# Altium PCB Copy of master.PcbDoc (part 3 of 7) (continued)
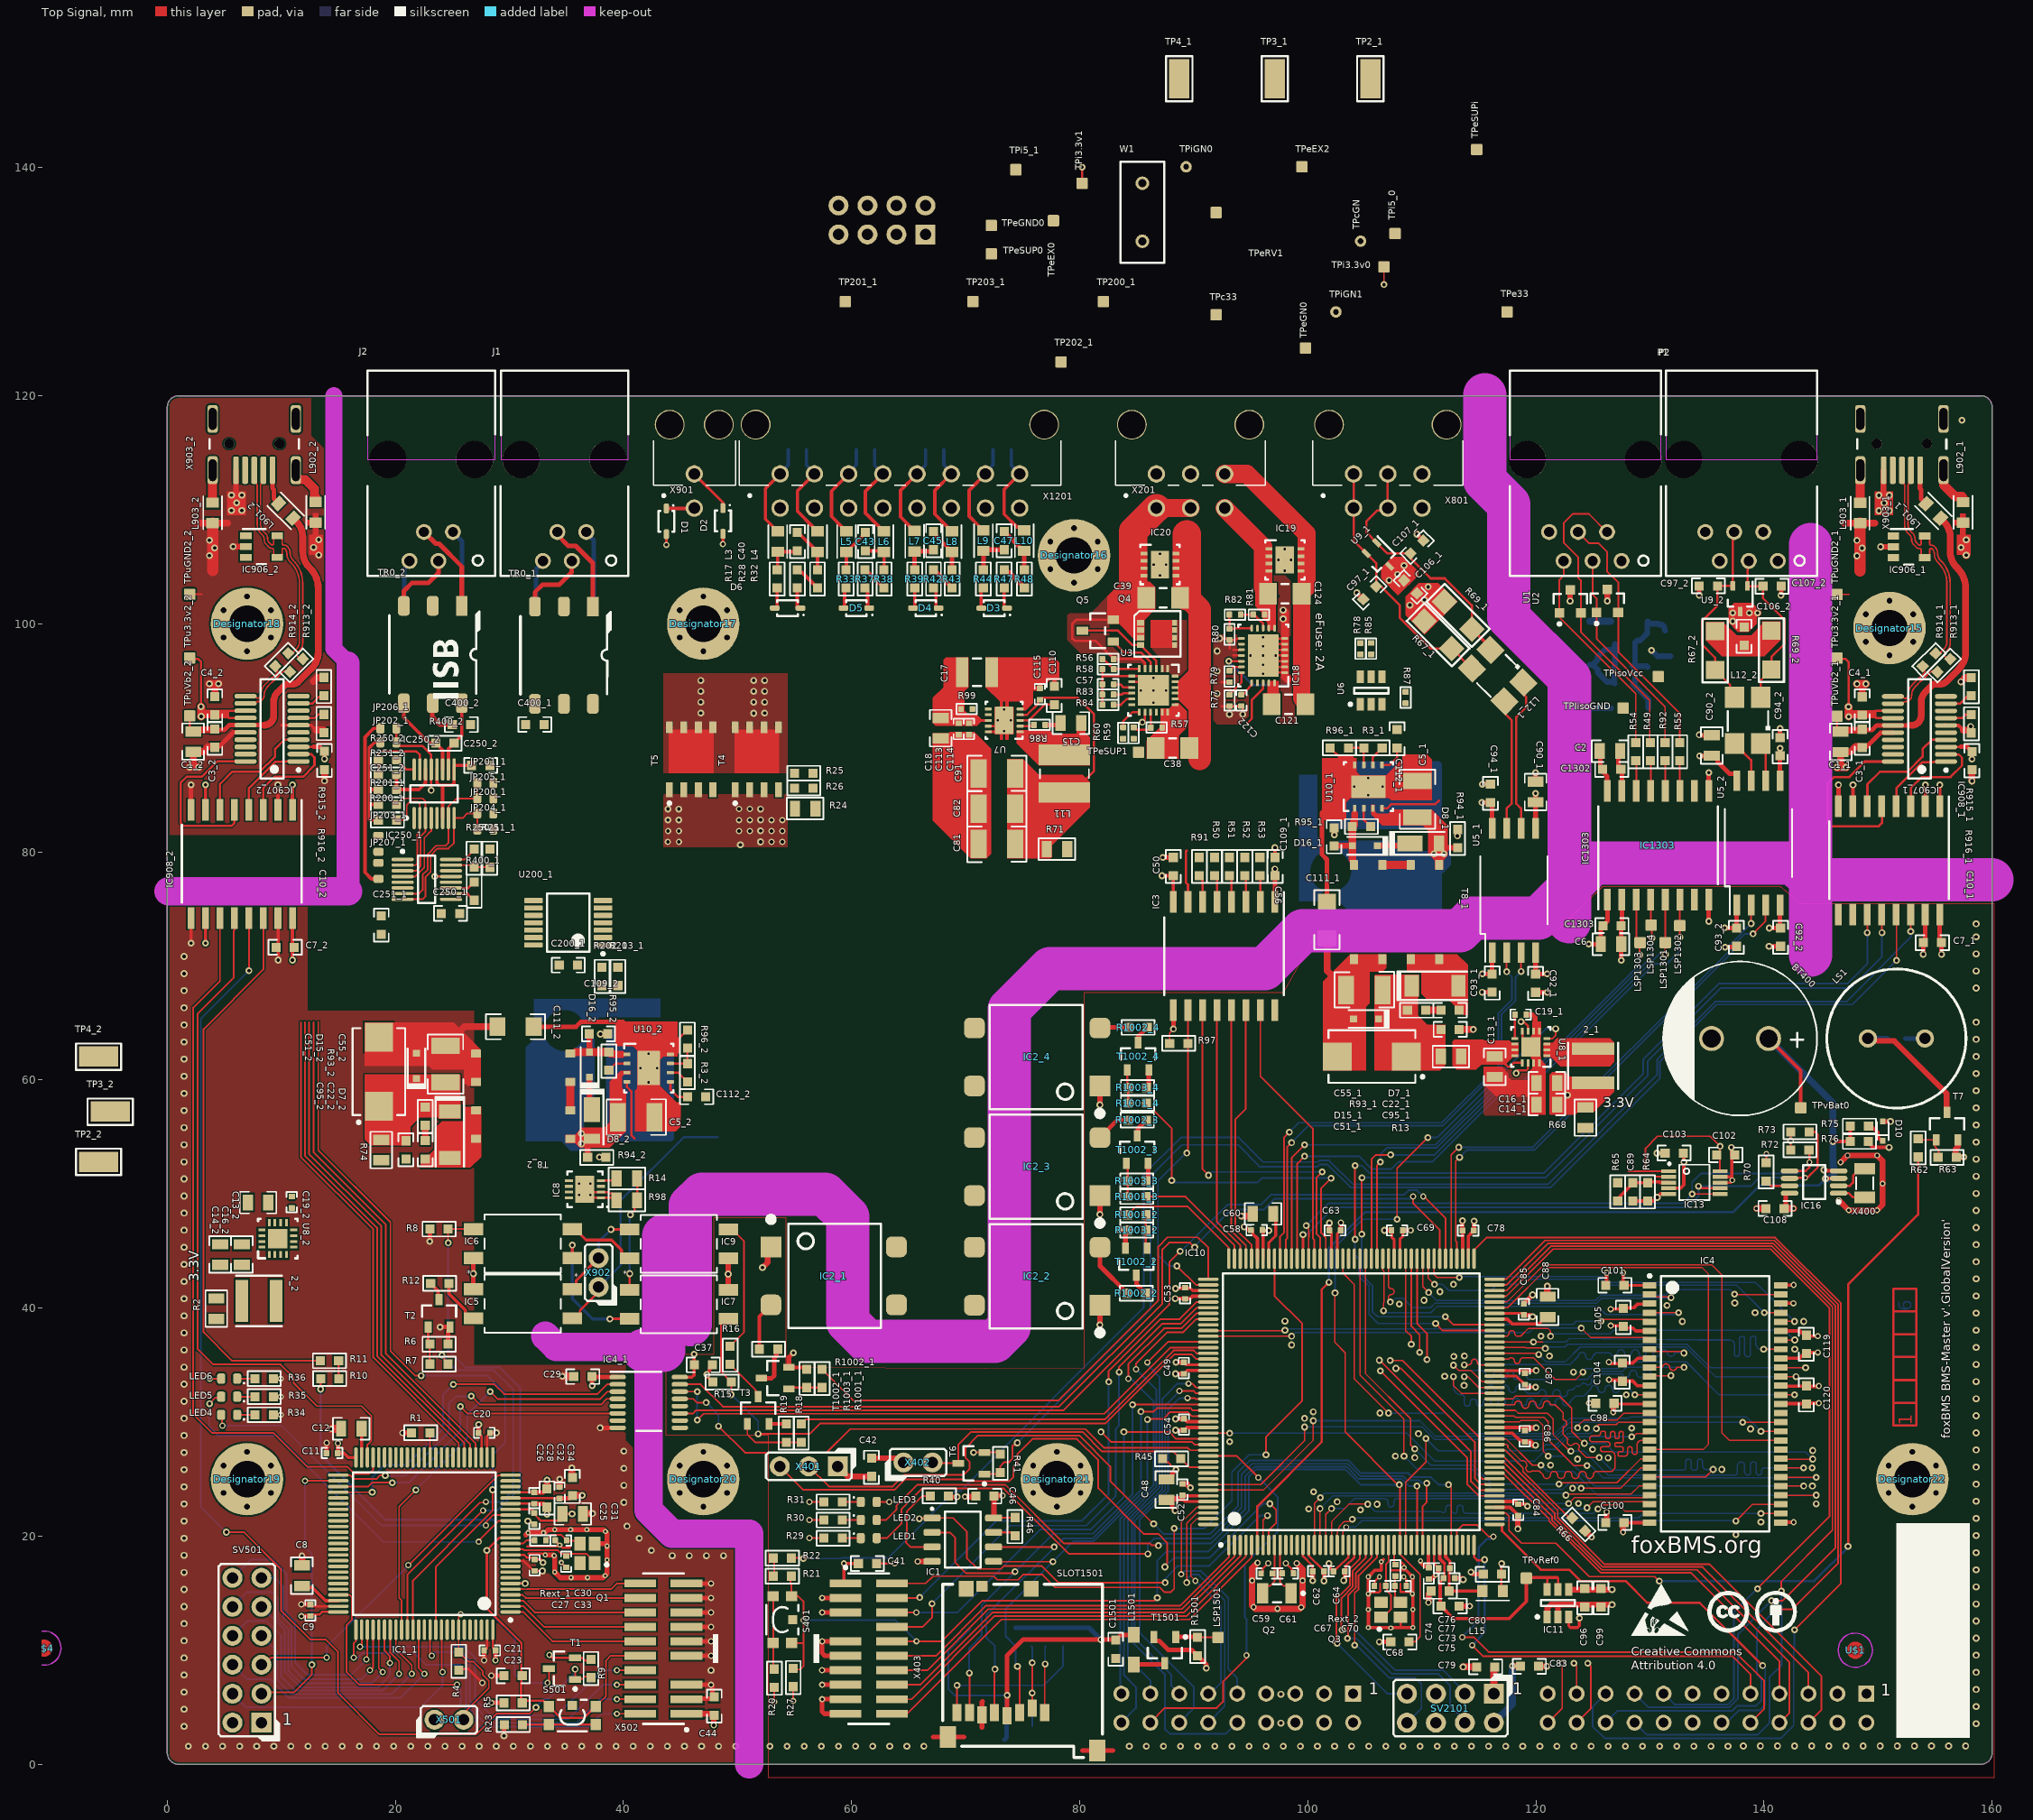
[diagram p0: Top Signal view]
## Part data (continued)
D1 D2: "Zener Diode", Breakdown Voltage=12V, Manufacturer="ON Semiconductor", PnP Package=SOD323, Supplier Part Number 1=1431191, Automotive Qualified=True, ComponentLink1Description=Datasheet, ComponentLink1URL=http://www.farnell.com/datasheets/1876691.pdf, Part Name=MM3Z12VT1G, Part Number=MM3Z12VT1G, Supplier 1=Farnell, Supplier 2=Digikey, Supplier 3=Mouser, Supplier Part Number 2=MM3Z12VT1GOSCT-ND, Supplier Part Number 3=863-MM3Z12VT1G
D3 D4 D5 D6: "TVS Diode, CDSOD323 Series, Unidirectional, 5 V, 18.3 V, SOD-323, 2 Pins", Breakdown Voltage=6V, Manufacturer=Bourns, Operating Temperature="-55°C - +150°C", Supplier Part Number 1=2341914, Automotive Qualified=False, ComponentLink1Description=Datasheet, ComponentLink1URL=http://www.farnell.com/datasheets/1845299.pdf, Part Name=CDSOD323-T05, Part Number=CDSOD323-T05, Supplier 1=Farnell
D7_1 D7_2: library part CMP-0028855-1, "Diode, Schottky, 40 V, 3 A, AEC-Q101, SMAF", Manufacturer="Fairchild Semiconductor", PartNumber=FSV340AF, Supplier Part Number 1=FSV340AFCT-ND, Value1=3A, Value2=0.5V, AEC Category=Q101, AEC Qualified=Y, ComponentLink1Description="Datasheet link", ComponentLink1URL=https://www.fairchildsemi.com/datasheets/FS/FSV330AF.pdf, CompType=Diode, Green_EU RoHS=Incomplete, Green_EU RoHS-2=Incomplete, Green_Lifecycle="Not Set", Green_REACh=Incomplete, Io_A=3A, LatestRevisionDate=2017-05-08, MountType=SMT, PackageReference=SMAF, Published=2008-06-26, Publisher="Texas Instruments", RoHS=Y, SizeArea_mm2=11.75, SizeAreaWB_mm2=19.95, SizeX_mm=4.7, SizeY_mm=2.5, SizeZ_mm=1, Supplier 1=Digi-Key, Supplier 2=Mouser, Supplier Part Number 2=512-FSV340AF, TJmax_C=150°C, TYPE=Schottky, U/M=EA, Vf_V=5dV, Vr_V=40V
D8_1 D8_2: library part CMP-0005415-2, "Diode, Zener, 24 V, 1 W, PowerDI123", Manufacturer="Diodes Inc.", Power_W=1W, Supplier Part Number 1=DFLZ24DICT-ND, AEC Category=Q101, AEC Qualified=?, ComponentLink1Description="Datasheet link", ComponentLink1URL=http://www.diodes.com/datasheets/ds30464.pdf, CompType=Zener, LatestRevisionDate=2017-03-09, LatestRevisionNote="Updated Supplier Data", MountType=SMT, PackageReference=PowerDI123, PartNumber=DFLZ24-7, Published=2008-10-08, Publisher="Texas Instruments", RJA_CperW=110, RoHS=Y, SizeArea_mm2=6.586, SizeAreaWB_mm2=13.066, SizeX_mm=3.7, SizeY_mm=1.78, SizeZ_mm=0.98, Supplier 1=Digi-Key, Supplier 2=Mouser, Supplier 3=Farnell, Supplier Part Number 2=621-DFLZ24-7, Supplier Part Number 3=2077975, U/M=EA, Value1=1W, Vz_V=24V
D10: library part DIODE_SCHTKY, "'''BAT41 Schottky diode, small signal''' / - If(avg) = 200mA, Vf(max) = 1V@200mA / - Vr(max) = 100V, Ir = 100nA@50V, 25deg / - SOD-523 package, RoHS compliant", DBDesc="do not populate, RoHS compliant", ID=908, Preffered ID=20995
D12 D14: library part CMP-2000-04926-1, "Schottky Diode, 20V, 0.2A, 2-pin SOD-123, RoHS, Tape and Reel", Manufacturer=FairchildSemiconductor, Operating Temperature=-65to125degC, Package=2SOD-123, Package Description="2-Pin Small Outline Diode, Body 2.69 x 1.6 mm", Package Reference=SOD-123-2-425-04, Peak Average Forward Current=0.5A, Peak Forward Voltage=0.385V, Peak Non-Repetitive Surge Current=5.5A, Peak Reverse Current=250uA, Peak Reverse Repetitive Voltage=20V, Category=Rectifier, Configuration=Single, Datasheet URL=https://datasheet.ciiva.com/5739/1684450-5739282.pdf, Datasheet Version="Rev. C0, 03/2012", Manufacturer URL=https://www.fairchildsemi.com/, Mounting=SurfaceMount, Packaging=Tape&Reel, Rad Hard=No, TYPE=SchottkyDiode
D13: library part CMP-1060-00940-1, "Zener Voltage Regulator, 225 mW, 3-Pin SOT-23, Pb-Free, Tape and Reel", Manufacturer="On Semiconductor", ComponentLink1Description="Manufacturer URL", ComponentLink1URL=http://www.onsemi.com/, ComponentLink2Description=Datasheet, ComponentLink2URL=http://www.onsemi.com/pub_link/Collateral/BZX84C2V4ET1-D.PDF, ComponentLink3Description="Package Specification", ComponentLink3URL=http://www.onsemi.cn/pub_link/Collateral/318-08.PDF, DatasheetVersion="Rev. 8", Mounting Technology="Surface Mount", PackageDescription="3-Pin Small Outline Transistor, Body 2.92 x 1.3 mm, Pitch 0.95 mm", PackageReference=SOT-23-3-318-08, PackageVersion="Rev. AP, 11/2009", Packing="Tape and Reel", PartId=1, PartNumber=BZX84C5V1ET1G, RoHS=Pb-Free
D15_1 D15_2: library part CMP-0005855-1, "Diode, Zener, 5.6 V, 200 mW, SOD-323", Manufacturer="Diodes Inc.", Power_W=200mW, Supplier Part Number 1=MMSZ5232BS-FDICT-ND, Value1=0.2W, AEC Category=Q101, AEC Qualified=?, ComponentLink1Description="Datasheet link", ComponentLink1URL=http://www.diodes.com/datasheets/ds31038.pdf, CompType=Zener, LatestRevisionDate=2017-03-09, LatestRevisionNote="Updated Supplier Data", MountType=SMT, PackageReference=SOD-323, PartNumber=MMSZ5232BS-7-F, Published=2008-10-08, Publisher="Texas Instruments", RJA_CperW=350, RoHS=Y, SizeArea_mm2=3.645, SizeAreaWB_mm2=8.695, SizeX_mm=2.7, SizeY_mm=1.35, SizeZ_mm=1, Supplier 1=Digi-Key, Supplier 2=Mouser, Supplier Part Number 2=621-MMSZ5232BS-F, U/M=EA, Vz_V=5.6V
D16_1 D16_2: library part CMP-0029019-1, "Diode, Ultrafast, 75 V, 0.25 A, SOD-323", Manufacturer="Central Semiconductor", PartNumber=CMDD4448, Value1=0.25A, Value2=1.2V, AEC Category=Q101, AEC Qualified=?, ComponentLink1Description="Datasheet link", ComponentLink1URL=http://www.centralsemi.com/PDFs/products/CMDD4448.PDF, CompType=Diode, Green_EU RoHS=Incomplete, Green_EU RoHS-2=Incomplete, Green_Lifecycle="Not Set", Green_REACh=Incomplete, Io_A=2.5dA, LatestRevisionDate=2017-05-08, MountType=SMT, PackageReference=SOD-323, Published=2008-06-26, Publisher="Texas Instruments", RoHS=Y, SizeArea_mm2=3.645, SizeAreaWB_mm2=8.695, SizeX_mm=2.7, SizeY_mm=1.35, SizeZ_mm=1, TJmax_C=175°C, TYPE=Ultrafast, U/M=EA, Vf_V=1.2V, Vr_V=75V
D1001_1 D1001_2 D1001_3 D1001_4: "Standard Recovery Diode, 100 V, 1 A, Single, 1 V, 2 µs, 30 A", Breakdown Voltage=100V, Continuous Forward Current=1A, Manufacturer="ON Semiconductor", Operating Temperature="-65°C - +175°C", Part Name=GF1B, Supplier Part Number 1=1467477, Automotive Qualified=False, ComponentLink1Description=Datasheet, ComponentLink1URL=http://www.farnell.com/datasheets/2303965.pdf, Part Number=d_si_sma_1A, Supplier 1=Farnell
Designator15 Designator16 Designator17: library part Hole_3.2_Iso
IC1: library part M95M02-DRMN6TP, "FRAM (Ferroelectric RAM) Memory IC 2Mb (256K x 8) SPI 40MHz 8-SOP", Manufacturer="Fujitsu Electronics America, Inc.", Operating Temperature="-40°C - +85°C", PnP Package=SOIC-8, Supplier Part Number 1=865-1286-1-ND, Automotive Qualified=False, ComponentLink1Description=Datasheet, ComponentLink1URL=http://www.st.com/resource/en/datasheet/m95m02-dr.pdf, Part Name=MB85RS2MTAPNF-G-BDERE1, Part Number=MB85RS2MTAPNF-G-BDERE1, Supplier 1=Digikey
IC1_1: library part CMP-0243-00030-2, "ARM Cortex-M4 32-bit MCU+FPU, 225 DMIPS, 2048 kB Flash, 256 kB Internal RAM, 82 I/Os, 100-pin LQFP, -40 to 85 degC, Tray", I/Os (High Current)=82, Manufacturer=STMicroelectronics, Operating Frequency(F) (Processor speed) (MHz)=180, Supply Voltage(Vcc) max (V)=3.6, Supply Voltage(Vcc) min (V)=1.8, ComponentLink1Description="Manufacturer URL", ComponentLink1URL=http://www.st.com/web/en/home.html, ComponentLink2Description=Datasheet, ComponentLink2URL=http://www.st.com/st-web-ui/static/active/en/resource/technical/document/data_brief/DM00053488.pdf, ComponentLink3Description="Package Specification", ComponentLink3URL=http://www.st.com/st-web-ui/static/active/en/resource/technical/document/data_brief/DM00071938.pdf, Core="ARM Cortex-M4", D/A Converter=2x12-bit, DatasheetVersion="Rev. 2", FLASH Size (Prog) (kB)=2048, Internal RAM Size (kB)=256, Mounting Technology="Surface Mount", PackageDescription="100-Pin Low Profile Quad Flat Package, 14 x 14 mm Body, 0.5 mm Pitch", PackageReference=LQFP100, PackageVersion="Rev. 1, 06/2013", Packing=Tray, Part Number=STM32F429VIT6, PartNumber=STM32F429VIT6
IC2_1 IC2_2 IC2_3 IC2_4: "PhotoMOS GU 1 Form A, 60 V Load Voltage,2.0 A Continuous Load Current, -40 to 85 degC, 4-Pin DIP(SMT), Tube, RoHS 6A Peak", Continuous Load Current="1.1 A", Load Voltage="60 V", Manufacturer=Panasonic, On Resistance (Typ)="0.34 Ohm", Part Number=AQY212GHA, ComponentLink1Description="Manufacturer URL", ComponentLink1URL=http://www3.panasonic.biz/ac/ae/index.jsp, ComponentLink2Description=Datasheet, ComponentLink2URL=http://www3.panasonic.biz/ac/e_download/control/relay/photomos/catalog/semi_eng_gu1a_aqy21_g.pdf, ComponentLink3Description="Package Specification", ComponentLink3URL=http://www3.panasonic.biz/ac/e_download/control/relay/photomos/catalog/semi_eng_dimensions.pdf?f_cd=401560, DatasheetVersion=201404-T, Mounting Technology="Surface Mount", PackageDescription="4-Pin Surface Mount Terminal Package, Body 4.78 x 6.4 mm, Pitch 2.54mm", PackageReference=DIP4(SMT), PackageVersion="ASCTB67E, 04/2014", Packing=Tube, PartNumber=AQY212GHA, Pb-Free=True, RoHS=True, Series="PhotoMOS GU 1 Form A"
IC3 IC906_1 IC906_2 IC908_1 IC908_2 U5_1 U5_2 U7 U8_1 U8_2: "Imported", Manufacturer="Texas Instruments", RefDes=RefDes, TYPE=TYPE
  IC3: PartNumber=ISO7761DWR
  IC906_1 IC906_2: Part Number=ESDS302DBVR, PartNumber=ESDS302DBVR
  IC908_1 IC908_2: Part Number=ISO7741DWR, PartNumber=ISO7741DWR
  U5_1 U5_2: PartNumber=ISO1042DWVR
  U7: CompType=IC, Manufacturer_Name="Texas Instruments", Manufacturer_Part_Number=LM536013QDSXRQ1, MountType=SMT, PackageReference=DSX0010A, PartNumber=LM536013QDSXRQ1, PIN_COUNT=11, RoHS=Y
  U8_1 U8_2: PartNumber=TPS62142RGTR
IC4: "SDRAM, 4M x 16 Bit", Manufacturer="INTEGRATED SILICON SOLUTION (ISSI)", Operating Temperature="-40 / o / C to +85 / o / -40°C - +85°C", PnP Package="TSOP II", Supplier Part Number 1=2253831, Automotive Qualified=True, ComponentLink1Description=Datasheet, ComponentLink1URL=http://www.farnell.com/datasheets/1674895.pdf, Part Name=IS42S16400J-7TLI, Part Number=IS42S16400J-7TLI, Supplier 1=Farnell
IC4_1: "Imported", Manufacturer="Texas Instruments", PartNumber=ISO7760DBQR, RefDes=RefDes, TYPE=TYPE
IC5 IC6 IC7 IC9: "PhotoMOS GU 1 Form A, 60 V Load Voltage, 1.1 A Continuous Load Current, -40 to 85 degC, 4-Pin DIP(SMT), Tube, RoHS", Continuous Load Current="1.1 A", Load Voltage="60 V", Manufacturer=Panasonic, On Resistance (Typ)="0.34 Ohm", ComponentLink1Description="Manufacturer URL", ComponentLink1URL=http://www3.panasonic.biz/ac/ae/index.jsp, ComponentLink2Description=Datasheet, ComponentLink2URL=http://www3.panasonic.biz/ac/e_download/control/relay/photomos/catalog/semi_eng_gu1a_aqy21_g.pdf, ComponentLink3Description="Package Specification", ComponentLink3URL=http://www3.panasonic.biz/ac/e_download/control/relay/photomos/catalog/semi_eng_dimensions.pdf?f_cd=401560, DatasheetVersion=201404-T, Mounting Technology="Surface Mount", PackageDescription="4-Pin Surface Mount Terminal Package, Body 4.78 x 6.4 mm, Pitch 2.54mm", PackageReference=DIP4(SMT), PackageVersion="ASCTB67E, 04/2014", Packing=Tube, Part Number=AQY212GHA, PartNumber=AQY212GHA, Pb-Free=True, RoHS=True, Series="PhotoMOS GU 1 Form A"
IC8: library part CMP-0472-00014-1, "200 mA Two-Terminal Programmable Current Source, 0.3 mA Isupply, 8-pin SON (DD-8), -40 to 125 degC, Pb-Free, Tape and Reel", Extended Temp="E, I, MP", Manufacturer="Linear Technology", Output Current Range="0.5 mA to 200 mA", Code_JEDEC=MO-229, ComponentLink1Description="Manufacturer URL", ComponentLink1URL=http://www.linear.com/, ComponentLink2Description=Datasheet, ComponentLink2URL=http://cds.linear.com/docs/en/datasheet/3092fb.pdf, ComponentLink3Description="Package Specification", ComponentLink3URL=http://cds.linear.com/docs/en/packaging/DFN_8_05-08-1698.pdf, DatasheetVersion="Rev. B", Initial Accuracy(%)=1, Isupply(mA)=0.3, Mounting Technology="Surface Mount", PackageDescription="8-Pin Plastic DFN, Body 3 x 3 mm, Pitch 0.5 mm", PackageReference=DD-8, PackageVersion=Jun-10, Packing="Tape and Reel", PartId=1, PartNumber=LT3092EDD#TRPBF, RoHS=TRUE, Vin Max(V)=40, Vin Min(V)=1.2
IC10: library part MC-ARM-STM32F4X9-SQ176, "ARM Cortex-M4 32-bit MCU+FPU, 225 DMIPS, 2048 kB Flash, 256 kB Internal RAM, 140 I/Os, 176-pin LQFP, -40 to 85 degC, Tray", I/Os (High Current)=140, Manufacturer=STMicroelectronics, Operating Frequency(F) (Processor speed) (MHz)=180, Supply Voltage(Vcc) max (V)=3.6, Supply Voltage(Vcc) min (V)=1.8, ComponentLink1Description="Manufacturer URL", ComponentLink1URL=http://www.st.com/web/en/home.html, ComponentLink2Description=Datasheet, ComponentLink2URL=http://www.st.com/st-web-ui/static/active/en/resource/technical/document/data_brief/DM00053488.pdf, ComponentLink3Description="Package Specification", ComponentLink3URL=http://www.st.com/st-web-ui/static/active/en/resource/technical/document/datasheet/DM00035129.pdf, Core="ARM Cortex-M4", D/A Converter=2x12-bit, DatasheetVersion="Rev. 2", FLASH Size (Prog) (kB)=2048, Internal RAM Size (kB)=256, Mounting Technology="Surface Mount", PackageDescription="176-Pin Low Profile Quad Flat Package, 24 x 24 mm Body, 0.5 mm Pitch", PackageReference=LQFP176, PackageVersion="Rev. 4, 06/2013", Packing=Tray, Part Number=STM32F429IIT6, PartNumber=STM32F429IIT6
IC11: library part CMP-0784-00366-1, "Micropower, High Accuracy Voltage Reference, 2.5 V Output, 2.7 to 5.5 V Supply, Industrial, 6-pin SOT23 (RJ-6), Reel", Manufacturer="Analog Devices", Operating Temp Range="-40 to 125 degC", Code_JEDEC=MO-178-AB, ComponentLink1Description="Manufacturer URL", ComponentLink1URL=http://www.analog.com/en/index.html, ComponentLink2Description=Datasheet, ComponentLink2URL=http://www.analog.com/static/imported-files/data_sheets/ADR3412_ADR3420_ADR3425_ADR3430_ADR3433_ADR3440_ADR3450.pdf, ComponentLink3Description="Package Specification", ComponentLink3URL=http://www.analog.com/static/imported-files/packages/PKG_PDF/SOT-23(RJ)/RJ_6.pdf, ComponentLink4Description="URL Link1", ComponentLink4URL="Product URL:http://www.analog.com/en/special-linear-functions/voltage-references/adr3425/products/product.html", DatasheetVersion="Rev. B", Max V Supply (V)=5.5, Min V Supply (V)=2.7, Mounting Technology="Surface Mount", PackageDescription="6-Pin Small Outline Transistor Package, Body 2.9 x 1.6 mm, Pitch 0.95 mm", PackageReference=RJ-6, PackageVersion="121608-A, 12/2008", Packing=Reel, Part Number=ADR3425ARJZ-R2, PartNumber=ADR3425ARJZ-R2, Ref Out TC (ppm/C)=2.5, Vout=2.5V
IC18: "37V Clamped input protection", Manufacturer="Texas Instruments", Supplier Part Number 1=296-51900-1-ND, Part Number=TPS26602RHFR, PartNumber=TPS26602RHFR, RefDes=RefDes, Supplier 1=Digi-Key, TYPE=TYPE
IC19 IC20: library part TVS3301DRVR, "TVS3301 33-V Bidirectional Flat-Clamp Surge Protection Device", Manufacturer="Texas Instruments", Supplier Part Number 1=296-53063-1-ND, Part Number=TVS3301DRBR, RefDes=RefDes, Supplier 1=Digi-Key, TYPE=TYPE
IC250_1 IC250_2 IC250_3 IC250_4: library part CMP-0937-00009-1, "IsoSPI Isolated Communication Interface, 2.7 to 5.5 V, -40 to 125 degC, 16-Pin MSOP (MS), Pb-Free", IO Supply Current="1 uA Max.", IO Supply Voltage Range="1.7 to 5.5 V", Manufacturer="Linear Technology", Power Supply="2.7 to 5.5 V", Receiver Input Resistance="35 kOhm", Supply Current, IDLE State="2 uA", Temperature Range (degC)="-40 to 125", ComponentLink1Description="Manufacturer URL", ComponentLink1URL=http://www.linear.com/, ComponentLink2Description=Datasheet, ComponentLink2URL=http://cds.linear.com/docs/en/datasheet/6820fa.pdf, ComponentLink3Description="Package Specification", ComponentLink3URL=http://cds.linear.com/docs/en/packaging/05081669_A_MS16.pdf, DatasheetVersion="Rev. A", Mounting Technology="Surface Mount", PackageDescription="16-Pin Micro Small Outline Package, Body 4.039 x 3 mm, Pitch 0.5 mm", PackageReference=MS-16, PackageVersion="Rev. A", PartNumber=LTC6820HMS#PBF, VBIAS="1.9 to 2.1 V"
IC907_1 IC907_2: library part CMP-0248-00024-2, "USB to Full-Handshake UART Interface Chip, UHCI/OHCI/EHCI Compatible, USB 2.0 Compatible, -40 to +85 degC, 20-Pin SSOP, Pb-Free, Tape and Reel", Manufacturer=FTDI, Code_JEDEC=MO-137-AD, ComponentLink1Description="Manufacturer URL", ComponentLink1URL=http://www.ftdichip.com/, ComponentLink2Description=Datasheet, ComponentLink2URL=http://www.ftdichip.com/Support/Documents/DataSheets/ICs/DS_FT231X.pdf, ComponentLink3Description="FT231X Product Page", ComponentLink3URL=www.ftdichip.com/Products/ICs/FT231X.html, DatasheetVersion="ver 1.2, Feb-2013", PackageDescription="20-Pin Small Outline Package, 8.6 x 3.9 mm Body, 0.635 mm Pitch", PackageReference=SSOP-20, PackageVersion=Feb-13, Part Number=FT231XS-R, PartNumber=FT231XS-R, RevisionNote="DatasheetVersion updated to 1.2 Feb-2013"
IC1303: "5-kVrms isolated RS-485/RS-422 transceiver with robust EMC", Manufacturer="Texas Instruments", Part Number=ISO1432DWR, PartNumber=ISO1432DWR, RefDes=RefDes, TYPE=TYPE
J1 J2: "Connector", Manufacturer_Name=Molex, Mouser Part Number=538-95501-2441, RS Part Number=2400913, Allied_Number=70372436, Allied Price/Stock=http://www.alliedelec.com/molex-incorporated-95501-2441/70372436/, Datasheet Link=http://www.molex.com/webdocs/datasheets/pdf/en-us/0955012441_MODULAR_JACKS_PLUG.pdf, Manufacturer_Part_Number=95501-2441, Mouser Price/Stock=https://www.mouser.com/Search/Refine.aspx?Keyword=538-95501-2441, RS Price/Stock=https://uk.rs-online.com/web/p/products/2400913
JP200_1 JP200_2 JP201_1 JP201_2 JP202_1 JP202_2 JP203_1 JP203_2 JP204_1 JP204_2 JP205_1 JP205_2 JP206_1 JP206_2 JP207_1 JP207_2 R203_1 R203_2: library part gen_R_0R_0603, "SMD Resistor 0R 0603", Case EIA=0603, Case Metric=1608, Maximum Working Voltage=75V, Operating Temperature="-55°C - +155°C", PnP Package=R_0603, Power=0.1W, Supplier Part Number 1=2616580, Automotive Qualified=True, Part Number=gen_R_0R_0603, PnP Value=0R, Resistance=0R, Series=Jumper, Supplier 1=Farnell
JP2201 JP2202: library part CMP-1023-00145-1, "Low Profile Socket Strips, Through-hole, Vertical, -55 to 105 degC, 2.54 mm Pitch, 24-Pin, Female, RoHS", Manufacturer=Samtec, Temperature Range="-55 to 105 degC", ComponentLink1Description="Manufacturer URL", ComponentLink1URL=http://www.samtec.com, ComponentLink2Description=Datasheet, ComponentLink2URL=http://www.samtec.com/documents/webfiles/pdf/SLW.PDF, ComponentLink3Description="Package Specification", ComponentLink3URL=http://www.samtec.com/documents/webfiles/cpdf/SLW-1XX-01-X-X-MKT.pdf, DatasheetVersion=F-214, Mounting Technology=Through-hole, Orientation=Vertical, PackageDescription="Low Profile Socket Strip", PackageReference=SLW-112-01-X-D, PackageVersion="X, 9/1987", Part Number=SLW-112-01-T-D, PartNumber=SLW-112-01-T-D, Pitch="2.54 mm", RoHS=True, System=Connector
L1_1 L1_2: library part CMP-0003072-1, "Ferrite Bead, 22 ohm @ 100 MHz, 6 A, 0805", Manufacturer="Wurth Elektronik", Supplier Part Number 1=732-4637-1-ND, Value1="0.008 ohm", Value2=6A, ValueDisplayed="22 ohm", ComponentLink1Description="Datasheet link", ComponentLink1URL=http://katalog.we-online.de/pbs/datasheet/742792021.pdf, CompType="Ferrite Bead", DCR_ohm=8m, Imax_A=6A, LatestRevisionDate=2017-03-09, MountType=SMT, PackageReference=0805, PartNumber=742792021, Published=2014-04-30, Publisher="Texas Instruments", RoHS=Y, SizeArea_mm2=2.5, SizeAreaWB_mm2=6.75, SizeX_mm=2, SizeY_mm=1.25, SizeZ_mm=1.45, Supplier 1=Digi-Key, Supplier 2=Mouser, Supplier Part Number 2=710-742792021, Ztyp@1GHz_Ohm=40.219, ZTyp@100MHz_Ohm=22
L2_1 L2_2: library part CMP-0063804-1, "Inductor, Shielded Drum Core, Ferrite, 10 uH, 1 A, 0.12 ohm, SMD", Manufacturer="Wurth Elektronik", Supplier Part Number 1=732-1025-1-ND, Value1="0.12 ohm", Value2=1A, ValueDisplayed=10uH, AEC Category=Q200, AEC Qualified=?, ComponentLink1Description="Datasheet link", ComponentLink1URL=http://www.we-online.com/eisos/pdf/744042100.pdf, CompType=Inductor, DCR_ohm=1.2d, Green_EU RoHS=Passed, Green_EU RoHS-2=Incomplete, Green_Lifecycle=Active, Green_REACh=Passed, Imax_A=1A, Ind_H=10µH, Irms="1.3A @ 30C rise", Isat="1A @ 35% inductance drop", LatestRevisionDate=2017-06-02, Material=Ferrite, MountType=SMT, PackageReference=WE-TPC-M1, PartNumber=744042100, Published=2008-06-26, Publisher="Texas Instruments", RoHS=Y, SizeArea_mm2=23.04, SizeAreaWB_mm2=33.64, SizeX_mm=4.8, SizeY_mm=4.8, SizeZ_mm=1.8, Supplier 1=Digi-Key, Supplier 2=Mouser, Supplier 3=Farnell, Supplier Part Number 2=710-744042100, Supplier Part Number 3=1635842, Technology="Shielded Drum Core"
L3 L4 L5 L6 L7 L8 L9 L10 L901_1 L901_2 L902_1 L902_2 L903_1 L903_2: library part C5133952-28DE-41F1-874F-4A9C3E40D898, "Chip Ferrite Bead for General Signal lines, 470 Ohm, 700 mA, -55 to 125 degC, 2 x 1.25 x 1.05 mm SMD, Tape and Reel", DC Resistance="0.19 Ohm Max.", Manufacturer=Murata, Operating Temperature Range="-55 to 125 degC", Rated Current="700 mA", ComponentLink1Description="Manufacturer URL", ComponentLink1URL=http://www.murata.com/, ComponentLink2Description=Datasheet, ComponentLink2URL=http://www.murata.com/products/catalog/pdf/c31e.pdf, ComponentLink3Description="Package Specification", ComponentLink3URL=http://www.murata.com/products/catalog/pdf/c31e.pdf, DatasheetVersion=08/2013, Impedance (at 100 MHz)="470 Ohm +/- 25%", Mounting Technology="Surface Mount", PackageDescription="2-Pin Chip, Body 2 x 1.25 mm", PackageReference=BLM21_H1050-2, Packing="Tape and Reel", Part Number=BLM21AG471SN1J, PartNumber=BLM21AG471SN1J
L11: "4.7uH", Manufacturer_Name=Bourns, Manufacturer_Part_Number=SDR0403-4R7ML, RefDes=RefDes, TYPE=TYPE, Vendor=Bourns
L12_1 L12_2: "Coupled inductor, 100 µH, 0.15 A, 1.5 ohm, SMD", Manufacturer=TDK, Supplier Part Number 1=871-B82789C0104H001, ValueDisplayed=100µH, ComponentLink1Description="Datasheet URL", ComponentLink1URL=http://www.epcos.com/inf/30/db/ind_2008/b82789c0_s0.pdf, CompType="Coupled Inductor", DCR_ohm=1.5, Ind_H=100.0E-6, LatestRevisionDate=2017-02-16, MountType=SMT, PackageReference=4.5x3.0x3.2mm, PartNumber=B82789C0104H001, Published=2008-05-16, Publisher="Texas Instruments", RoHS=Y, Supplier 1=Mouser, SymbolCreator=a0412235, SymbolVersion=2013-02-26
L14: library part 750316031, "Isolated interface power supply for CAN, RS-485, RS-422, RS-232, SPI, I2C, lower-power LAN 1:1 1A", Manufacturer_Part_Number=50225C, Built_By=EMA_UL_Team, Copyright="Copyright (C) 2018 Accelerated Designs. All rights reserved", RefDes=RefDes, TYPE=DEV, Vendor=Murata
L15 L1501: library part CMP-0686-00649-2, "Chip Ferrite Bead for General Signal lines, 470 Ohm, 700 mA, -55 to 125 degC, 2 x 1.25 x 1.05 mm SMD, Tape and Reel", DC Resistance="0.19 Ohm Max.", Manufacturer=Murata, Operating Temperature Range="-55 to 125 degC", Rated Current="700 mA", ComponentLink1Description="Manufacturer URL", ComponentLink1URL=http://www.murata.com/, ComponentLink2Description=Datasheet, ComponentLink2URL=http://www.murata.com/products/catalog/pdf/c31e.pdf, ComponentLink3Description="Package Specification", ComponentLink3URL=http://www.murata.com/products/catalog/pdf/c31e.pdf, DatasheetVersion=08/2013, Impedance (at 100 MHz)="470 Ohm +/- 25%", Mounting Technology="Surface Mount", PackageDescription="2-Pin Chip, Body 2 x 1.25 mm", PackageReference=BLM21_H1050-2, Packing="Tape and Reel", PartNumber=BLM21AG471SN1J
  L15: Part Number=BLM21AG471SN1J
LED1 LED4: library part gen_LED_0603_green, "LED", Breakdown Voltage=5V, Case EIA=0603, Case Metric=1608, Continuous Forward Current=20mA, Forward Voltage @ 20mA=2.2V, PnP Package=LED_0603, Supplier Part Number 1=2099223, Automotive Qualified=False, Color=green, Part Number=gen_LED_0603_green, Supplier 1=Farnell
LED2 LED5: library part gen_LED_0603_red, "LED", Breakdown Voltage=5V, Case EIA=0603, Case Metric=1608, Continuous Forward Current=20mA, Forward Voltage @ 20mA=2V, PnP Package=LED_0603, Supplier Part Number 1=2099221, Automotive Qualified=False, Color=red, Part Number=gen_LED_0603_red, Supplier 1=Farnell
LED3 LED6: library part gen_LED_0603_orange, "LED", Breakdown Voltage=5V, Case EIA=0603, Case Metric=1608, Continuous Forward Current=20mA, Forward Voltage @ 20mA=2.2V, PnP Package=LED_0603, Supplier Part Number 1=2099222, Automotive Qualified=False, Color=orange, Part Number=gen_LED_0603_orange, Supplier 1=Farnell
LS1: library part Speaker, "Loudspeaker", DBDesc="BUZZER PIEZO 4KHZ 12.2MM PC MNT, RoHS compliant", ID=17009
LSP1301 LSP1302 LSP1303 LSP1304 LSP1501 LSP1502 LSP1503 LSP1504 LSP1505 TP200_1 TP200_2 TP201_1 TP201_2 TP202_1 TP202_2 TP203_1 TP203_2 TPc33 TPe33 TPeEX0 TPeEX2 TPeGN0 TPeGND0 TPeRV1 TPeSUP0 TPeSUP1 TPeSUPi TPi3.3v0 TPi3.3v1 TPi5_0 TPi5_1 TPIisoGND TPisoVcc TPu3.3v2_1 TPu3.3v2_2 TPuGND2_1 TPuGND2_2 TPuVb2_1 TPuVb2_2 TPvBat0 TPvRef0: "Testpoint, square", Part Number=Testpoint_Square
P1 P2: library part 95501-2661, "Jack Modular Connector 6p6c (RJ9, RJ10, RJ22) 90° Angle (Right) Unshielded Cat3", Manufacturer_Name=Molex, Manufacturer_Part_Number=95501-2441, Mouser Part Number=538-95501-2441, RS Part Number=2400913, Allied_Number=70372436, Allied Price/Stock=http://www.alliedelec.com/molex-incorporated-95501-2441/70372436/, Datasheet Link=http://www.molex.com/webdocs/datasheets/pdf/en-us/0955012441_MODULAR_JACKS_PLUG.pdf, Mouser Price/Stock=https://www.mouser.com/Search/Refine.aspx?Keyword=538-95501-2441, RS Price/Stock=https://uk.rs-online.com/web/p/products/2400913
Q1 Q3: library part CMP-0449-00001-1, "Crystal,CRYSTAL 40MHZ 15PF 85degC Surface Mount 2.5 x 2.0 mm", Frequency Range="32000 kHz", Load Capacitance="8 pF", Manufacturer=Kyocera, Motional Series Resistance="50 ohm (max)", Operating Temperature="-10 to 70 degC", Supplier Part Number 1=FH4000039DKR-ND, ComponentLink1Description="Manufacturer URL", ComponentLink1URL=http://global.kyocera.com/, ComponentLink2Description=Datasheet, ComponentLink2URL=http://global.kyocera.com/prdct/electro/pdf/xtal/cx2520db_cs_e.pdf, ComponentLink3Description="Package Specification", ComponentLink3URL=http://global.kyocera.com/prdct/electro/pdf/xtal/cx2520db_cs_e.pdf, Drive Level="10uW (100uW max.)", Mounting Technology="Surface Mount", PackageDescription="4-Pin Hand Drawn，Body 2.5x2mm", PackageReference=CX2520DB32000D0GEJZ1-4, Packing="Tape and Reel", PartNumber=CX2520DB32000D0GEJZ1, Supplier 1=Digi-Key